# Altium PCB InfraredModule-批量.PcbDoc (part 2 of 2)
Units mm, origin at the board's own origin, x right, y up, seen from the top; angles counter-clockwise.
Board outline 90 x 53 mm, 2 copper layers (Top Layer, Bottom Layer); 324 components, 29 nets, 1102 pads, 540 vias.
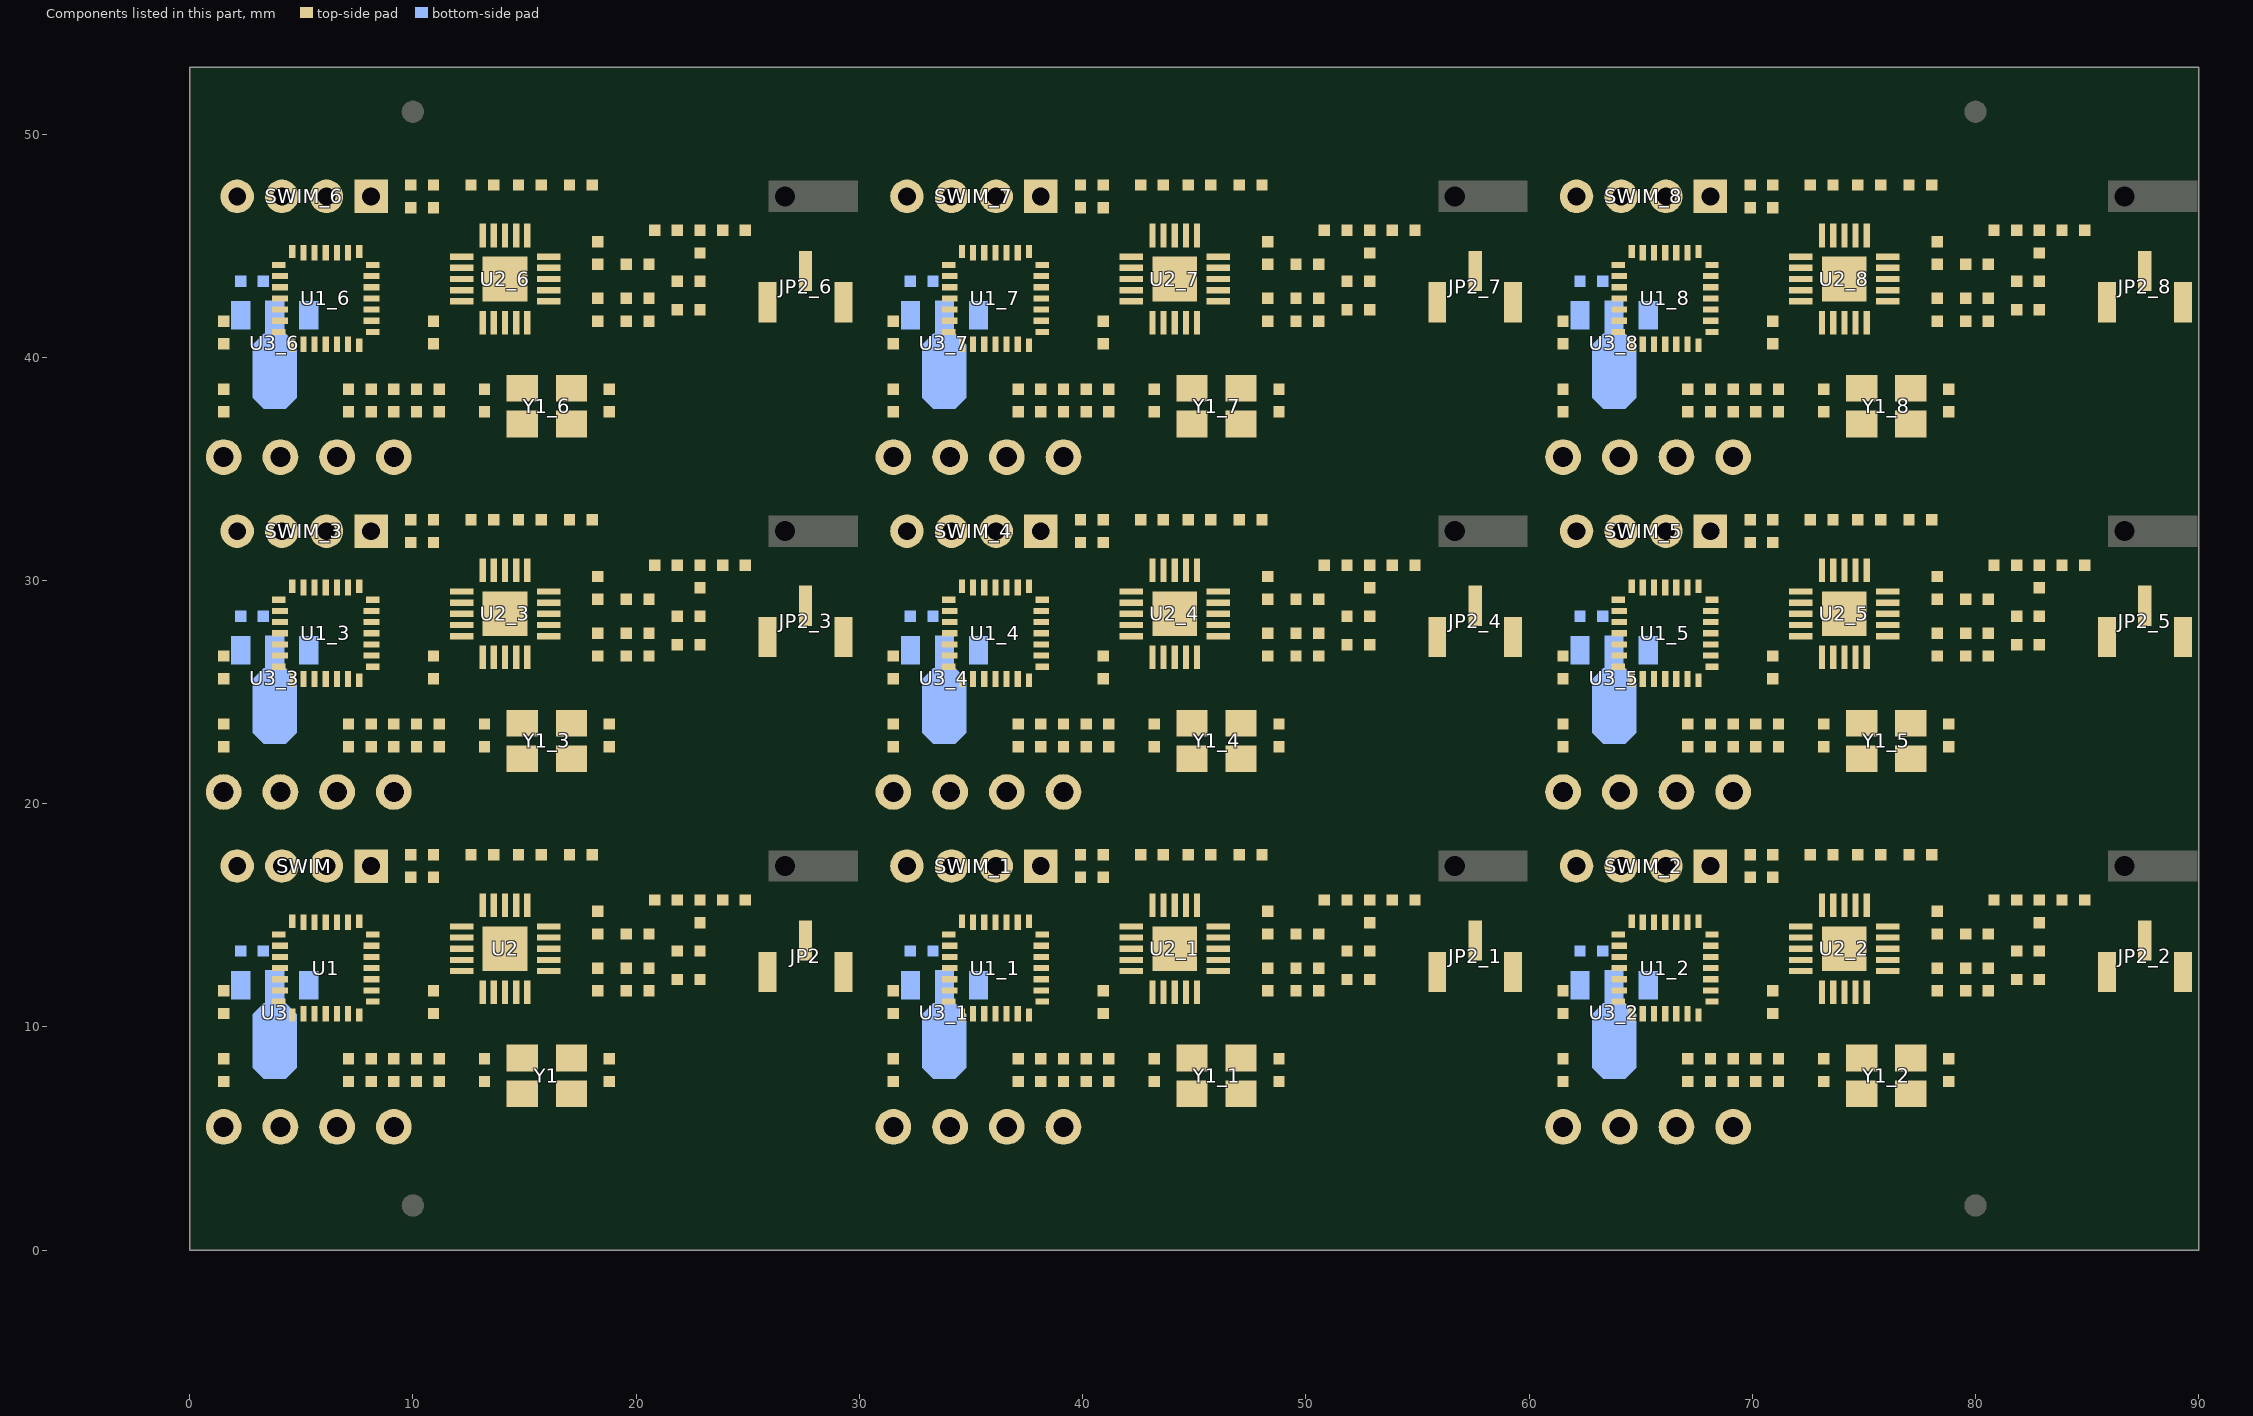
[diagram p2: the components of this part, seen from the top]

## Via types
v1: diameter 0.61, hole 0.305, Top Layer to Bottom Layer, 540 vias

## Nets (pads, with @x,y where several pads share a name; then routed paths per layer and width w, separated by ;. In a path a pad name is that pad's centre, name@x,y a point inside that pad or via, vN(x,y) a via of type N, cw(c..) or ccw(c..) an arc to the next point about the centre after c; other vN are vias at no path point) (continued)
copper on no net: | length 2413.6
  Top Layer w0.203: 1.524,5.524 1.524,7.556 2.159,7.556 2.413,7.81 2.413,9.08 2.667,9.334 v1(6.096,9.334) ; 1.524,8.572 1.524,10.604 2.54,10.604 3.072,11.136 3.996,11.136 ; 1.524,11.62 v1(1.524,14.541) ; 1.524,20.524 1.524,22.556 2.159,22.556 2.413,22.81 2.413,24.08 2.667,24.334 v1(6.096,24.334) ; 1.524,23.572 1.524,25.604 2.54,25.604 3.072,26.136 3.996,26.136 ; 1.524,26.62 v1(1.524,29.541) ; 1.524,35.524 1.524,37.556 2.159,37.556 2.413,37.81 2.413,39.08 2.667,39.334 v1(6.096,39.334) ; 1.524,38.572 1.524,40.604 2.54,40.604 3.072,41.136 3.996,41.136 ; 1.524,41.62 v1(1.524,44.541) ; 1.54,11.636 4.046,11.636 ; 1.54,26.636 4.046,26.636 ; 1.54,41.636 4.046,41.636 ; 3.996,14.136 v1(3.996,15.743) ; 3.996,29.136 v1(3.996,30.743) ; 3.996,44.136 v1(3.996,45.743) ; 4.128,17.208 4.596,16.74 4.596,14.736 ; 4.128,32.208 4.596,31.74 4.596,29.736 ; 4.128,47.208 4.596,46.74 4.596,44.736 ; 4.395,11.136 3.996,11.136 ; 4.395,26.136 3.996,26.136 ; 4.395,41.136 3.996,41.136 ; v1(6.35,11.874) 5.334,11.874 ; v1(6.35,26.874) 5.334,26.874 ; v1(6.35,41.874) 5.334,41.874 ; 6.604,5.524 6.604,7.048 7.112,7.556 8.128,8.572 8.026,8.47 ; 6.604,10.578 6.596,10.586 6.596,9.596 6.909,9.283 7.112,9.283 ; 6.604,20.524 6.604,22.048 7.112,22.556 8.128,23.572 8.026,23.47 ; 6.604,25.578 6.596,25.586 6.596,24.596 6.909,24.283 7.112,24.283 ; 6.604,35.524 6.604,37.048 7.112,37.556 8.128,38.572 8.026,38.47 ; 6.604,40.578 6.596,40.586 6.596,39.596 6.909,39.283 7.112,39.283 ; v1(6.874,13.636) 8.146,13.636 ; v1(6.874,28.636) 8.146,28.636 ; v1(6.874,43.636) 8.146,43.636 ; 7.112,8.572 7.112,9.283 ; 7.112,23.572 7.112,24.283 ; 7.112,38.572 7.112,39.283 ; 8.146,11.636 8.906,11.636 9.017,11.747 9.652,11.747 9.906,11.493 9.906,9.461 10.211,9.156 12.527,9.156 13.627,10.256 13.627,11.554 ; 8.146,12.136 8.893,12.136 9.601,12.844 9.601,14.368 10.331,15.098 12.065,15.098 12.178,14.985 12.178,14.504 ; 8.146,12.636 8.89,12.636 9.246,12.992 9.246,14.516 10.183,15.453 13.127,15.453 ; 8.146,13.136 8.755,13.136 8.89,13.271 v1(8.89,15.176) ; 8.146,26.636 8.906,26.636 9.017,26.747 9.652,26.747 9.906,26.493 9.906,24.461 10.211,24.156 12.527,24.156 13.627,25.256 13.627,26.554 ; 8.146,27.136 8.893,27.136 9.601,27.844 9.601,29.368 10.331,30.098 12.065,30.098 12.178,29.985 12.178,29.504 ; 8.146,27.636 8.89,27.636 9.246,27.992 9.246,29.516 10.183,30.453 13.127,30.453 ; 8.146,28.136 8.755,28.136 8.89,28.271 v1(8.89,30.176) ; 8.146,41.636 8.906,41.636 9.017,41.747 9.652,41.747 9.906,41.493 9.906,39.461 10.211,39.156 12.527,39.156 13.627,40.256 13.627,41.554 ; 8.146,42.136 8.893,42.136 9.601,42.844 9.601,44.368 10.331,45.098 12.065,45.098 12.178,44.985 12.178,44.504 ; 8.146,42.636 8.89,42.636 9.246,42.992 9.246,44.516 10.183,45.453 13.127,45.453 ; 8.146,43.136 8.755,43.136 8.89,43.271 v1(8.89,45.176) ; 8.196,10.536 7.596,10.536 8.45,10.536 8.636,10.35 v1(8.636,9.842) ; 8.196,11.136 v1(9.247,11.136) ; 8.196,25.536 7.596,25.536 8.45,25.536 8.636,25.35 v1(8.636,24.842) ; 8.196,26.136 v1(9.247,26.136) ; 8.196,40.536 7.596,40.536 8.45,40.536 8.636,40.35 v1(8.636,39.842) ; 8.196,41.136 v1(9.247,41.136) ; 8.636,16.7 9.906,16.7 10.922,17.716 ; 8.636,31.7 9.906,31.7 10.922,32.716 ; 8.636,46.7 9.906,46.7 10.922,47.716 ; 9.144,7.556 10.16,7.556 ; 9.144,22.556 10.16,22.556 ; 9.144,37.556 10.16,37.556 ; 10.16,8.572 9.144,8.572 9.144,9.207 9.068,9.283 7.112,9.283 ; 10.16,23.572 9.144,23.572 9.144,24.207 9.068,24.283 7.112,24.283 ; 10.16,38.572 9.144,38.572 9.144,39.207 9.068,39.283 7.112,39.283 ; v1(10.414,12.509) 10.795,12.509 11.29,13.004 12.178,13.004 ; v1(10.414,13.271) 11.049,13.271 11.282,13.504 12.178,13.504 ; v1(10.414,27.509) 10.795,27.509 11.29,28.004 12.178,28.004 ; v1(10.414,28.271) 11.049,28.271 11.282,28.504 12.178,28.504 ; v1(10.414,42.509) 10.795,42.509 11.29,43.004 12.178,43.004 ; v1(10.414,43.271) 11.049,43.271 11.282,43.504 12.178,43.504 ; v1(10.824,14.004) 12.178,14.004 ; v1(10.824,29.004) 12.178,29.004 ; v1(10.824,44.004) 12.178,44.004 ; v1(10.922,9.715) 10.922,10.604 ; 10.922,11.62 10.922,12.128 11.298,12.504 12.178,12.504 ; 10.922,16.7 v1(11.811,16.7) ; v1(10.922,24.715) 10.922,25.604 ; 10.922,26.62 10.922,27.128 11.298,27.504 12.178,27.504 ; 10.922,31.7 v1(11.811,31.7) ; v1(10.922,39.715) 10.922,40.604 ; 10.922,41.62 10.922,42.128 11.298,42.504 12.178,42.504 ; 10.922,46.7 v1(11.811,46.7) ; 11.176,7.556 11.176,8.572 ; 11.176,22.556 11.176,23.572 ; 11.176,37.556 11.176,38.572 ; v1(11.938,10.858) 11.938,11.366 12.126,11.554 13.127,11.554 ; v1(11.938,25.858) 11.938,26.366 12.126,26.554 13.127,26.554 ; v1(11.938,40.858) 11.938,41.366 12.126,41.554 13.127,41.554 ; v1(12.192,7.556) 13.208,7.556 v1(13.208,6.54) ; v1(12.192,22.556) 13.208,22.556 v1(13.208,21.54) ; v1(12.192,37.556) 13.208,37.556 v1(13.208,36.54) ; 12.603,17.716 v1(12.603,16.67) 13.605,16.67 13.627,16.648 13.627,15.453 ; 12.603,32.716 v1(12.603,31.67) 13.605,31.67 13.627,31.648 13.627,30.453 ; 12.603,47.716 v1(12.603,46.67) 13.605,46.67 13.627,46.648 13.627,45.453 ; 13.619,17.716 14.127,17.208 14.127,15.453 ; 13.619,32.716 14.127,32.208 14.127,30.453 ; 13.619,47.716 14.127,47.208 14.127,45.453 ; 14.127,11.554 14.127,10.253 13.208,9.334 13.208,8.572 14.77,7.01 ; 14.127,26.554 14.127,25.253 13.208,24.334 13.208,23.572 14.77,22.01 ; 14.127,41.554 14.127,40.253 13.208,39.334 13.208,38.572 14.77,37.01 ; 14.627,11.554 14.627,10.455 14.732,10.35 v1(15.494,10.35) ; 14.627,15.453 14.627,17.611 ; 14.627,26.554 14.627,25.455 14.732,25.35 v1(15.494,25.35) ; 14.627,30.453 14.627,32.611 ; 14.627,41.554 14.627,40.455 14.732,40.35 v1(15.494,40.35) ; 14.627,45.453 14.627,47.611 ; 15.127,11.554 16.576,11.554 17.14,10.99 17.14,8.61 17.14,8.572 18.796,8.572 ; 15.127,15.453 15.127,16.079 v1(15.748,16.7) 15.748,17.716 ; 15.127,26.554 16.576,26.554 17.14,25.99 17.14,23.61 17.14,23.572 18.796,23.572 ; 15.127,30.453 15.127,31.079 v1(15.748,31.7) 15.748,32.716 ; 15.127,41.554 16.576,41.554 17.14,40.99 17.14,38.61 17.14,38.572 18.796,38.572 ; 15.127,45.453 15.127,46.079 v1(15.748,46.7) 15.748,47.716 ; 16.076,12.504 16.642,12.504 v1(17.145,12.001) ; 16.076,13.004 17.92,13.004 cw(c17.92,12.636) 18.288,12.636 19.558,12.636 ; 16.076,14.004 17.018,14.004 17.145,14.131 17.145,14.541 ; 16.076,14.504 17.018,14.504 ; 16.076,27.504 16.642,27.504 v1(17.145,27.001) ; 16.076,28.004 17.92,28.004 cw(c17.92,27.636) 18.288,27.636 19.558,27.636 ; 16.076,29.004 17.018,29.004 17.145,29.131 17.145,29.541 ; 16.076,29.504 17.018,29.504 ; 16.076,42.504 16.642,42.504 v1(17.145,42.001) ; 16.076,43.004 17.92,43.004 cw(c17.92,42.636) 18.288,42.636 19.558,42.636 ; 16.076,44.004 17.018,44.004 17.145,44.131 17.145,44.541 ; 16.076,44.504 17.018,44.504 ; 16.704,13.504 16.076,13.504 17.632,13.504 ccw(c17.632,14.16) 18.288,14.16 19.558,14.16 ; 16.704,28.504 16.076,28.504 17.632,28.504 ccw(c17.632,29.16) 18.288,29.16 19.558,29.16 ; 16.704,43.504 16.076,43.504 17.632,43.504 ccw(c17.632,44.16) 18.288,44.16 19.558,44.16 ; 17.108,14.504 17.145,14.541 ; 17.108,29.504 17.145,29.541 ; 17.108,44.504 17.145,44.541 ; v1(17.145,15.176) 17.145,14.541 ; v1(17.145,30.176) 17.145,29.541 ; v1(17.145,45.176) 17.145,44.541 ; v1(18.034,16.7) 18.034,17.716 ; v1(18.034,31.7) 18.034,32.716 ; v1(18.034,46.7) 18.034,47.716 ; 18.288,15.176 v1(19.177,15.176) ; 18.288,30.176 v1(19.177,30.176) ; 18.288,45.176 v1(19.177,45.176) ; v1(18.796,6.54) 18.796,7.556 v1(19.812,7.556) ; v1(18.796,21.54) 18.796,22.556 v1(19.812,22.556) ; v1(18.796,36.54) 18.796,37.556 v1(19.812,37.556) ; v1(19.812,15.684) 20.828,15.684 ; v1(19.812,30.684) 20.828,30.684 ; v1(19.812,45.684) 20.828,45.684 ; v1(20.574,10.604) 20.574,11.62 ; v1(20.574,25.604) 20.574,26.62 ; v1(20.574,40.604) 20.574,41.62 ; v1(21.844,10.604) 21.844,12.128 ; 21.844,15.684 22.86,15.684 23.876,15.684 ; v1(21.844,25.604) 21.844,27.128 ; 21.844,30.684 22.86,30.684 23.876,30.684 ; v1(21.844,40.604) 21.844,42.128 ; 21.844,45.684 22.86,45.684 23.876,45.684 ; 22.86,12.128 22.86,13.398 22.86,14.668 ; 22.86,27.128 22.86,28.398 22.86,29.668 ; 22.86,42.128 22.86,43.398 22.86,44.668 ; v1@25.889,10.623 25.889,12.466 ; v1@25.889,25.623 25.889,27.466 ; v1@25.889,40.623 25.889,42.466 ; v1(27.559,10.604) 27.559,12.128 ; v1(27.559,25.604) 27.559,27.128 ; v1(27.559,40.604) 27.559,42.128 ; 28.951,12.128 29.289,12.466 v1(29.289,10.604) ; 28.951,27.128 29.289,27.466 v1(29.289,25.604) ; 28.951,42.128 29.289,42.466 v1(29.289,40.604) ; 31.524,5.524 31.524,7.556 32.159,7.556 32.413,7.81 32.413,9.08 32.667,9.334 v1(36.096,9.334) ; 31.524,8.572 31.524,10.604 32.54,10.604 33.072,11.136 33.996,11.136 ; 31.524,11.62 v1(31.524,14.541) ; 31.524,20.524 31.524,22.556 32.159,22.556 32.413,22.81 32.413,24.08 32.667,24.334 v1(36.096,24.334) ; 31.524,23.572 31.524,25.604 32.54,25.604 33.072,26.136 33.996,26.136 ; 31.524,26.62 v1(31.524,29.541) ; 31.524,35.524 31.524,37.556 32.159,37.556 32.413,37.81 32.413,39.08 32.667,39.334 v1(36.096,39.334) ; 31.524,38.572 31.524,40.604 32.54,40.604 33.072,41.136 33.996,41.136 ; 31.524,41.62 v1(31.524,44.541) ; 31.54,11.636 34.046,11.636 ; 31.54,26.636 34.046,26.636 ; 31.54,41.636 34.046,41.636 ; 33.996,14.136 v1(33.996,15.743) ; 33.996,29.136 v1(33.996,30.743) ; 33.996,44.136 v1(33.996,45.743) ; 34.128,17.208 34.596,16.74 34.596,14.736 ; 34.128,32.208 34.596,31.74 34.596,29.736 ; 34.128,47.208 34.596,46.74 34.596,44.736 ; 34.395,11.136 33.996,11.136 ; 34.395,26.136 33.996,26.136 ; 34.395,41.136 33.996,41.136 ; v1(36.35,11.874) 35.334,11.874 ; v1(36.35,26.874) 35.334,26.874 ; v1(36.35,41.874) 35.334,41.874 ; 36.604,5.524 36.604,7.048 37.112,7.556 38.128,8.572 38.026,8.47 ; 36.604,10.578 36.596,10.586 36.596,9.596 36.909,9.283 37.112,9.283 ; 36.604,20.524 36.604,22.048 37.112,22.556 38.128,23.572 38.026,23.47 ; 36.604,25.578 36.596,25.586 36.596,24.596 36.909,24.283 37.112,24.283 ; 36.604,35.524 36.604,37.048 37.112,37.556 38.128,38.572 38.026,38.47 ; 36.604,40.578 36.596,40.586 36.596,39.596 36.909,39.283 37.112,39.283 ; v1(36.874,13.636) 38.146,13.636 ; v1(36.874,28.636) 38.146,28.636 ; v1(36.874,43.636) 38.146,43.636 ; 37.112,8.572 37.112,9.283 ; 37.112,23.572 37.112,24.283 ; 37.112,38.572 37.112,39.283 ; 38.146,11.636 38.906,11.636 39.017,11.747 39.652,11.747 39.906,11.493 39.906,9.461 40.211,9.156 42.527,9.156 43.627,10.256 43.627,11.554 ; 38.146,12.136 38.893,12.136 39.601,12.844 39.601,14.368 40.331,15.098 42.065,15.098 42.178,14.985 42.178,14.504 ; 38.146,12.636 38.89,12.636 39.246,12.992 39.246,14.516 40.183,15.453 43.127,15.453 ; 38.146,13.136 38.755,13.136 38.89,13.271 v1(38.89,15.176) ; 38.146,26.636 38.906,26.636 39.017,26.747 39.652,26.747 39.906,26.493 39.906,24.461 40.211,24.156 42.527,24.156 43.627,25.256 43.627,26.554 ; 38.146,27.136 38.893,27.136 39.601,27.844 39.601,29.368 40.331,30.098 42.065,30.098 42.178,29.985 42.178,29.504 ; 38.146,27.636 38.89,27.636 39.246,27.992 39.246,29.516 40.183,30.453 43.127,30.453 ; 38.146,28.136 38.755,28.136 38.89,28.271 v1(38.89,30.176) ; 38.146,41.636 38.906,41.636 39.017,41.747 39.652,41.747 39.906,41.493 39.906,39.461 40.211,39.156 42.527,39.156 43.627,40.256 43.627,41.554 ; 38.146,42.136 38.893,42.136 39.601,42.844 39.601,44.368 40.331,45.098 42.065,45.098 42.178,44.985 42.178,44.504 ; 38.146,42.636 38.89,42.636 39.246,42.992 39.246,44.516 40.183,45.453 43.127,45.453 ; 38.146,43.136 38.755,43.136 38.89,43.271 v1(38.89,45.176) ; 38.196,10.536 37.596,10.536 38.45,10.536 38.636,10.35 v1(38.636,9.842) ; 38.196,11.136 v1(39.247,11.136) ; 38.196,25.536 37.596,25.536 38.45,25.536 38.636,25.35 v1(38.636,24.842) ; 38.196,26.136 v1(39.247,26.136) ; 38.196,40.536 37.596,40.536 38.45,40.536 38.636,40.35 v1(38.636,39.842) ; 38.196,41.136 v1(39.247,41.136) ; 38.636,16.7 39.906,16.7 40.922,17.716 ; 38.636,31.7 39.906,31.7 40.922,32.716 ; 38.636,46.7 39.906,46.7 40.922,47.716 ; 39.144,7.556 40.16,7.556 ; 39.144,22.556 40.16,22.556 ; 39.144,37.556 40.16,37.556 ; 40.16,8.572 39.144,8.572 39.144,9.207 39.068,9.283 37.112,9.283 ; 40.16,23.572 39.144,23.572 39.144,24.207 39.068,24.283 37.112,24.283 ; 40.16,38.572 39.144,38.572 39.144,39.207 39.068,39.283 37.112,39.283 ; v1(40.414,12.509) 40.795,12.509 41.29,13.004 42.178,13.004 ; v1(40.414,13.271) 41.049,13.271 41.282,13.504 42.178,13.504 ; v1(40.414,27.509) 40.795,27.509 41.29,28.004 42.178,28.004 ; v1(40.414,28.271) 41.049,28.271 41.282,28.504 42.178,28.504 ; v1(40.414,42.509) 40.795,42.509 41.29,43.004 42.178,43.004 ; v1(40.414,43.271) 41.049,43.271 41.282,43.504 42.178,43.504 ; v1(40.824,14.004) 42.178,14.004 ; v1(40.824,29.004) 42.178,29.004 ; v1(40.824,44.004) 42.178,44.004 ; v1(40.922,9.715) 40.922,10.604 ; 40.922,11.62 40.922,12.128 41.298,12.504 42.178,12.504 ; 40.922,16.7 v1(41.811,16.7) ; v1(40.922,24.715) 40.922,25.604 ; 40.922,26.62 40.922,27.128 41.298,27.504 42.178,27.504 ; 40.922,31.7 v1(41.811,31.7) ; v1(40.922,39.715) 40.922,40.604 ; 40.922,41.62 40.922,42.128 41.298,42.504 42.178,42.504 ; 40.922,46.7 v1(41.811,46.7) ; 41.176,7.556 41.176,8.572 ; 41.176,22.556 41.176,23.572 ; 41.176,37.556 41.176,38.572 ; v1(41.938,10.858) 41.938,11.366 42.126,11.554 43.127,11.554 ; v1(41.938,25.858) 41.938,26.366 42.126,26.554 43.127,26.554 ; v1(41.938,40.858) 41.938,41.366 42.126,41.554 43.127,41.554 ; v1(42.192,7.556) 43.208,7.556 v1(43.208,6.54) ; v1(42.192,22.556) 43.208,22.556 v1(43.208,21.54) ; v1(42.192,37.556) 43.208,37.556 v1(43.208,36.54) ; 42.603,17.716 v1(42.603,16.67) 43.605,16.67 43.627,16.648 43.627,15.453 ; 42.603,32.716 v1(42.603,31.67) 43.605,31.67 43.627,31.648 43.627,30.453 ; 42.603,47.716 v1(42.603,46.67) 43.605,46.67 43.627,46.648 43.627,45.453 ; 43.619,17.716 44.127,17.208 44.127,15.453 ; 43.619,32.716 44.127,32.208 44.127,30.453 ; 43.619,47.716 44.127,47.208 44.127,45.453 ; 44.127,11.554 44.127,10.253 43.208,9.334 43.208,8.572 44.77,7.01 ; 44.127,26.554 44.127,25.253 43.208,24.334 43.208,23.572 44.77,22.01 ; 44.127,41.554 44.127,40.253 43.208,39.334 43.208,38.572 44.77,37.01 ; 44.627,11.554 44.627,10.455 44.732,10.35 v1(45.494,10.35) ; 44.627,15.453 44.627,17.611 ; 44.627,26.554 44.627,25.455 44.732,25.35 v1(45.494,25.35) ; 44.627,30.453 44.627,32.611 ; 44.627,41.554 44.627,40.455 44.732,40.35 v1(45.494,40.35) ; 44.627,45.453 44.627,47.611 ; 45.127,11.554 46.576,11.554 47.14,10.99 47.14,8.61 47.14,8.572 48.796,8.572 ; 45.127,15.453 45.127,16.079 v1(45.748,16.7) 45.748,17.716 ; 45.127,26.554 46.576,26.554 47.14,25.99 47.14,23.61 47.14,23.572 48.796,23.572 ; 45.127,30.453 45.127,31.079 v1(45.748,31.7) 45.748,32.716 ; 45.127,41.554 46.576,41.554 47.14,40.99 47.14,38.61 47.14,38.572 48.796,38.572 ; 45.127,45.453 45.127,46.079 v1(45.748,46.7) 45.748,47.716 ; 46.076,12.504 46.642,12.504 v1(47.145,12.001) ; 46.076,13.004 47.92,13.004 cw(c47.92,12.636) 48.288,12.636 49.558,12.636 ; 46.076,14.004 47.018,14.004 47.145,14.131 47.145,14.541 ; 46.076,14.504 47.018,14.504 ; 46.076,27.504 46.642,27.504 v1(47.145,27.001) ; 46.076,28.004 47.92,28.004 cw(c47.92,27.636) 48.288,27.636 49.558,27.636 ; 46.076,29.004 47.018,29.004 47.145,29.131 47.145,29.541 ; 46.076,29.504 47.018,29.504 ; 46.076,42.504 46.642,42.504 v1(47.145,42.001) ; 46.076,43.004 47.92,43.004 cw(c47.92,42.636) 48.288,42.636 49.558,42.636 ; 46.076,44.004 47.018,44.004 47.145,44.131 47.145,44.541 ; 46.076,44.504 47.018,44.504 ; 46.704,13.504 46.076,13.504 47.632,13.504 ccw(c47.632,14.16) 48.288,14.16 49.558,14.16 ; 46.704,28.504 46.076,28.504 47.632,28.504 ccw(c47.632,29.16) 48.288,29.16 49.558,29.16 ; 46.704,43.504 46.076,43.504 47.632,43.504 ccw(c47.632,44.16) 48.288,44.16 49.558,44.16 ; 47.108,14.504 47.145,14.541 ; 47.108,29.504 47.145,29.541 ; 47.108,44.504 47.145,44.541 ; v1(47.145,15.176) 47.145,14.541 ; v1(47.145,30.176) 47.145,29.541 ; v1(47.145,45.176) 47.145,44.541 ; v1(48.034,16.7) 48.034,17.716 ; v1(48.034,31.7) 48.034,32.716 ; v1(48.034,46.7) 48.034,47.716 ; 48.288,15.176 v1(49.177,15.176) ; 48.288,30.176 v1(49.177,30.176) ; 48.288,45.176 v1(49.177,45.176) ; v1(48.796,6.54) 48.796,7.556 v1(49.812,7.556) ; v1(48.796,21.54) 48.796,22.556 v1(49.812,22.556) ; v1(48.796,36.54) 48.796,37.556 v1(49.812,37.556) ; v1(49.812,15.684) 50.828,15.684 ; v1(49.812,30.684) 50.828,30.684 ; v1(49.812,45.684) 50.828,45.684 ; v1(50.574,10.604) 50.574,11.62 ; v1(50.574,25.604) 50.574,26.62 ; v1(50.574,40.604) 50.574,41.62 ; v1(51.844,10.604) 51.844,12.128 ; 51.844,15.684 52.86,15.684 53.876,15.684 ; v1(51.844,25.604) 51.844,27.128 ; 51.844,30.684 52.86,30.684 53.876,30.684 ; v1(51.844,40.604) 51.844,42.128 ; 51.844,45.684 52.86,45.684 53.876,45.684 ; 52.86,12.128 52.86,13.398 52.86,14.668 ; 52.86,27.128 52.86,28.398 52.86,29.668 ; 52.86,42.128 52.86,43.398 52.86,44.668 ; v1@55.889,10.623 55.889,12.466 ; v1@55.889,25.623 55.889,27.466 ; v1@55.889,40.623 55.889,42.466 ; v1(57.559,10.604) 57.559,12.128 ; v1(57.559,25.604) 57.559,27.128 ; v1(57.559,40.604) 57.559,42.128 ; 58.951,12.128 59.289,12.466 v1(59.289,10.604) ; 58.951,27.128 59.289,27.466 v1(59.289,25.604) ; 58.951,42.128 59.289,42.466 v1(59.289,40.604) ; 61.524,5.524 61.524,7.556 62.159,7.556 62.413,7.81 62.413,9.08 62.667,9.334 v1(66.096,9.334) ; 61.524,8.572 61.524,10.604 62.54,10.604 63.072,11.136 63.996,11.136 ; 61.524,11.62 v1(61.524,14.541) ; 61.524,20.524 61.524,22.556 62.159,22.556 62.413,22.81 62.413,24.08 62.667,24.334 v1(66.096,24.334) ; 61.524,23.572 61.524,25.604 62.54,25.604 63.072,26.136 63.996,26.136 ; 61.524,26.62 v1(61.524,29.541) ; 61.524,35.524 61.524,37.556 62.159,37.556 62.413,37.81 62.413,39.08 62.667,39.334 v1(66.096,39.334) ; 61.524,38.572 61.524,40.604 62.54,40.604 63.072,41.136 63.996,41.136 ; 61.524,41.62 v1(61.524,44.541) ; 61.54,11.636 64.046,11.636 ; 61.54,26.636 64.046,26.636 ; 61.54,41.636 64.046,41.636 ; 63.996,14.136 v1(63.996,15.743) ; 63.996,29.136 v1(63.996,30.743) ; 63.996,44.136 v1(63.996,45.743) ; 64.128,17.208 64.596,16.74 64.596,14.736 ; 64.128,32.208 64.596,31.74 64.596,29.736 ; 64.128,47.208 64.596,46.74 64.596,44.736 ; 64.395,11.136 63.996,11.136 ; 64.395,26.136 63.996,26.136 ; 64.395,41.136 63.996,41.136 ; v1(66.35,11.874) 65.334,11.874 ; v1(66.35,26.874) 65.334,26.874 ; v1(66.35,41.874) 65.334,41.874 ; 66.604,5.524 66.604,7.048 67.112,7.556 68.128,8.572 68.026,8.47 ; 66.604,10.578 66.596,10.586 66.596,9.596 66.909,9.283 67.112,9.283 ; 66.604,20.524 66.604,22.048 67.112,22.556 68.128,23.572 68.026,23.47 ; 66.604,25.578 66.596,25.586 66.596,24.596 66.909,24.283 67.112,24.283 ; 66.604,35.524 66.604,37.048 67.112,37.556 68.128,38.572 68.026,38.47 ; 66.604,40.578 66.596,40.586 66.596,39.596 66.909,39.283 67.112,39.283 ; v1(66.874,13.636) 68.146,13.636 ; v1(66.874,28.636) 68.146,28.636 ; v1(66.874,43.636) 68.146,43.636 ; 67.112,8.572 67.112,9.283 ; 67.112,23.572 67.112,24.283 ; 67.112,38.572 67.112,39.283 ; 68.146,11.636 68.906,11.636 69.017,11.747 69.652,11.747 69.906,11.493 69.906,9.461 70.211,9.156 72.527,9.156 73.627,10.256 73.627,11.554 ; 68.146,12.136 68.893,12.136 69.601,12.844 69.601,14.368 70.331,15.098 72.065,15.098 72.178,14.985 72.178,14.504 ; 68.146,12.636 68.89,12.636 69.246,12.992 69.246,14.516 70.183,15.453 73.127,15.453 ; 68.146,13.136 68.755,13.136 68.89,13.271 v1(68.89,15.176) ; 68.146,26.636 68.906,26.636 69.017,26.747 69.652,26.747 69.906,26.493 69.906,24.461 70.211,24.156 72.527,24.156 73.627,25.256 73.627,26.554 ; 68.146,27.136 68.893,27.136 69.601,27.844 69.601,29.368 70.331,30.098 72.065,30.098 72.178,29.985 72.178,29.504 ; 68.146,27.636 68.89,27.636 69.246,27.992 69.246,29.516 70.183,30.453 73.127,30.453 ; 68.146,28.136 68.755,28.136 68.89,28.271 v1(68.89,30.176) ; 68.146,41.636 68.906,41.636 69.017,41.747 69.652,41.747 69.906,41.493 69.906,39.461 70.211,39.156 72.527,39.156 73.627,40.256 73.627,41.554 ; 68.146,42.136 68.893,42.136 69.601,42.844 69.601,44.368 70.331,45.098 72.065,45.098 72.178,44.985 72.178,44.504 ; 68.146,42.636 68.89,42.636 69.246,42.992 69.246,44.516 70.183,45.453 73.127,45.453 ; 68.146,43.136 68.755,43.136 68.89,43.271 v1(68.89,45.176) ; 68.196,10.536 67.596,10.536 68.45,10.536 68.636,10.35 v1(68.636,9.842) ; 68.196,11.136 v1(69.247,11.136) ; 68.196,25.536 67.596,25.536 68.45,25.536 68.636,25.35 v1(68.636,24.842) ; 68.196,26.136 v1(69.247,26.136) ; 68.196,40.536 67.596,40.536 68.45,40.536 68.636,40.35 v1(68.636,39.842) ; 68.196,41.136 v1(69.247,41.136) ; 68.636,16.7 69.906,16.7 70.922,17.716 ; 68.636,31.7 69.906,31.7 70.922,32.716 ; 68.636,46.7 69.906,46.7 70.922,47.716 ; 69.144,7.556 70.16,7.556 ; 69.144,22.556 70.16,22.556 ; 69.144,37.556 70.16,37.556 ; 70.16,8.572 69.144,8.572 69.144,9.207 69.068,9.283 67.112,9.283 ; 70.16,23.572 69.144,23.572 69.144,24.207 69.068,24.283 67.112,24.283 ; 70.16,38.572 69.144,38.572 69.144,39.207 69.068,39.283 67.112,39.283 ; v1(70.414,12.509) 70.795,12.509 71.29,13.004 72.178,13.004 ; v1(70.414,13.271) 71.049,13.271 71.282,13.504 72.178,13.504 ; v1(70.414,27.509) 70.795,27.509 71.29,28.004 72.178,28.004 ; v1(70.414,28.271) 71.049,28.271 71.282,28.504 72.178,28.504 ; v1(70.414,42.509) 70.795,42.509 71.29,43.004 72.178,43.004 ; v1(70.414,43.271) 71.049,43.271 71.282,43.504 72.178,43.504 ; v1(70.824,14.004) 72.178,14.004 ; v1(70.824,29.004) 72.178,29.004 ; v1(70.824,44.004) 72.178,44.004 ; v1(70.922,9.715) 70.922,10.604 ; 70.922,11.62 70.922,12.128 71.298,12.504 72.178,12.504 ; 70.922,16.7 v1(71.811,16.7) ; v1(70.922,24.715) 70.922,25.604 ; 70.922,26.62 70.922,27.128 71.298,27.504 72.178,27.504 ; 70.922,31.7 v1(71.811,31.7) ; v1(70.922,39.715) 70.922,40.604 ; 70.922,41.62 70.922,42.128 71.298,42.504 72.178,42.504 ; 70.922,46.7 v1(71.811,46.7) ; 71.176,7.556 71.176,8.572 ; 71.176,22.556 71.176,23.572 ; 71.176,37.556 71.176,38.572 ; v1(71.938,10.858) 71.938,11.366 72.126,11.554 73.127,11.554 ; v1(71.938,25.858) 71.938,26.366 72.126,26.554 73.127,26.554 ; v1(71.938,40.858) 71.938,41.366 72.126,41.554 73.127,41.554 ; v1(72.192,7.556) 73.208,7.556 v1(73.208,6.54) ; v1(72.192,22.556) 73.208,22.556 v1(73.208,21.54) ; v1(72.192,37.556) 73.208,37.556 v1(73.208,36.54) ; 72.603,17.716 v1(72.603,16.67) 73.605,16.67 73.627,16.648 73.627,15.453 ; 72.603,32.716 v1(72.603,31.67) 73.605,31.67 73.627,31.648 73.627,30.453 ; 72.603,47.716 v1(72.603,46.67) 73.605,46.67 73.627,46.648 73.627,45.453 ; 73.619,17.716 74.127,17.208 74.127,15.453 ; 73.619,32.716 74.127,32.208 74.127,30.453 ; 73.619,47.716 74.127,47.208 74.127,45.453 ; 74.127,11.554 74.127,10.253 73.208,9.334 73.208,8.572 74.77,7.01 ; 74.127,26.554 74.127,25.253 73.208,24.334 73.208,23.572 74.77,22.01 ; 74.127,41.554 74.127,40.253 73.208,39.334 73.208,38.572 74.77,37.01 ; 74.627,11.554 74.627,10.455 74.732,10.35 v1(75.494,10.35) ; 74.627,15.453 74.627,17.611 ; 74.627,26.554 74.627,25.455 74.732,25.35 v1(75.494,25.35) ; 74.627,30.453 74.627,32.611 ; 74.627,41.554 74.627,40.455 74.732,40.35 v1(75.494,40.35) ; 74.627,45.453 74.627,47.611 ; 75.127,11.554 76.576,11.554 77.14,10.99 77.14,8.61 77.14,8.572 78.796,8.572 ; 75.127,15.453 75.127,16.079 v1(75.748,16.7) 75.748,17.716 ; 75.127,26.554 76.576,26.554 77.14,25.99 77.14,23.61 77.14,23.572 78.796,23.572 ; 75.127,30.453 75.127,31.079 v1(75.748,31.7) 75.748,32.716 ; 75.127,41.554 76.576,41.554 77.14,40.99 77.14,38.61 77.14,38.572 78.796,38.572 ; 75.127,45.453 75.127,46.079 v1(75.748,46.7) 75.748,47.716 ; 76.076,12.504 76.642,12.504 v1(77.145,12.001) ; 76.076,13.004 77.92,13.004 cw(c77.92,12.636) 78.288,12.636 79.558,12.636 ; 76.076,14.004 77.018,14.004 77.145,14.131 77.145,14.541 ; 76.076,14.504 77.018,14.504 ; 76.076,27.504 76.642,27.504 v1(77.145,27.001) ; 76.076,28.004 77.92,28.004 cw(c77.92,27.636) 78.288,27.636 79.558,27.636 ; 76.076,29.004 77.018,29.004 77.145,29.131 77.145,29.541 ; 76.076,29.504 77.018,29.504 ; 76.076,42.504 76.642,42.504 v1(77.145,42.001) ; 76.076,43.004 77.92,43.004 cw(c77.92,42.636) 78.288,42.636 79.558,42.636 ; 76.076,44.004 77.018,44.004 77.145,44.131 77.145,44.541 ; 76.076,44.504 77.018,44.504 ; 76.704,13.504 76.076,13.504 77.632,13.504 ccw(c77.632,14.16) 78.288,14.16 79.558,14.16 ; 76.704,28.504 76.076,28.504 77.632,28.504 ccw(c77.632,29.16) 78.288,29.16 79.558,29.16 ; 76.704,43.504 76.076,43.504 77.632,43.504 ccw(c77.632,44.16) 78.288,44.16 79.558,44.16 ; 77.108,14.504 77.145,14.541 ; 77.108,29.504 77.145,29.541 ; 77.108,44.504 77.145,44.541 ; v1(77.145,15.176) 77.145,14.541 ; v1(77.145,30.176) 77.145,29.541 ; v1(77.145,45.176) 77.145,44.541 ; v1(78.034,16.7) 78.034,17.716 ; v1(78.034,31.7) 78.034,32.716 ; v1(78.034,46.7) 78.034,47.716 ; 78.288,15.176 v1(79.177,15.176) ; 78.288,30.176 v1(79.177,30.176) ; 78.288,45.176 v1(79.177,45.176) ; v1(78.796,6.54) 78.796,7.556 v1(79.812,7.556) ; v1(78.796,21.54) 78.796,22.556 v1(79.812,22.556) ; v1(78.796,36.54) 78.796,37.556 v1(79.812,37.556) ; v1(79.812,15.684) 80.828,15.684 ; v1(79.812,30.684) 80.828,30.684 ; v1(79.812,45.684) 80.828,45.684 ; v1(80.574,10.604) 80.574,11.62 ; v1(80.574,25.604) 80.574,26.62 ; v1(80.574,40.604) 80.574,41.62 ; v1(81.844,10.604) 81.844,12.128 ; 81.844,15.684 82.86,15.684 83.876,15.684 ; v1(81.844,25.604) 81.844,27.128 ; 81.844,30.684 82.86,30.684 83.876,30.684 ; v1(81.844,40.604) 81.844,42.128 ; 81.844,45.684 82.86,45.684 83.876,45.684 ; 82.86,12.128 82.86,13.398 82.86,14.668 ; 82.86,27.128 82.86,28.398 82.86,29.668 ; 82.86,42.128 82.86,43.398 82.86,44.668 ; v1@85.889,10.623 85.889,12.466 ; v1@85.889,25.623 85.889,27.466 ; v1@85.889,40.623 85.889,42.466 ; v1(87.559,10.604) 87.559,12.128 ; v1(87.559,25.604) 87.559,27.128 ; v1(87.559,40.604) 87.559,42.128 ; 88.951,12.128 89.289,12.466 v1(89.289,10.604) ; 88.951,27.128 89.289,27.466 v1(89.289,25.604) ; 88.951,42.128 89.289,42.466 v1(89.289,40.604) ; 3.996,11.136 4.596,11.136 ; 3.996,11.136 4.596,11.136 ; 3.996,11.136 4.596,11.136 ; 3.996,26.136 4.596,26.136 ; 3.996,26.136 4.596,26.136 ; 3.996,26.136 4.596,26.136 ; 3.996,41.136 4.596,41.136 ; 3.996,41.136 4.596,41.136 ; 3.996,41.136 4.596,41.136 ; 4.596,11.136 4.826,11.366 ; 4.596,11.136 4.826,11.366 ; 4.596,11.136 5.334,11.874 ; 4.596,26.136 4.826,26.366 ; 4.596,26.136 4.826,26.366 ; 4.596,26.136 5.334,26.874 ; 4.596,41.136 4.826,41.366 ; 4.596,41.136 4.826,41.366 ; 4.596,41.136 5.334,41.874 ; 4.826,11.366 5.334,11.874 ; 4.826,26.366 5.334,26.874 ; 4.826,41.366 5.334,41.874 ; 33.996,11.136 34.596,11.136 ; 33.996,11.136 34.596,11.136 ; 33.996,11.136 34.596,11.136 ; 33.996,26.136 34.596,26.136 ; 33.996,26.136 34.596,26.136 ; 33.996,26.136 34.596,26.136 ; 33.996,41.136 34.596,41.136 ; 33.996,41.136 34.596,41.136 ; 33.996,41.136 34.596,41.136 ; 34.596,11.136 34.826,11.366 ; 34.596,11.136 34.826,11.366 ; 34.596,11.136 35.334,11.874 ; 34.596,26.136 34.826,26.366 ; 34.596,26.136 34.826,26.366 ; 34.596,26.136 35.334,26.874 ; 34.596,41.136 34.826,41.366 ; 34.596,41.136 34.826,41.366 ; 34.596,41.136 35.334,41.874 ; 34.826,11.366 35.334,11.874 ; 34.826,26.366 35.334,26.874 ; 34.826,41.366 35.334,41.874 ; 63.996,11.136 64.596,11.136 ; 63.996,11.136 64.596,11.136 ; 63.996,11.136 64.596,11.136 ; 63.996,26.136 64.596,26.136 ; 63.996,26.136 64.596,26.136 ; 63.996,26.136 64.596,26.136 ; 63.996,41.136 64.596,41.136 ; 63.996,41.136 64.596,41.136 ; 63.996,41.136 64.596,41.136 ; 64.596,11.136 64.826,11.366 ; 64.596,11.136 64.826,11.366 ; 64.596,11.136 65.334,11.874 ; 64.596,26.136 64.826,26.366 ; 64.596,26.136 64.826,26.366 ; 64.596,26.136 65.334,26.874 ; 64.596,41.136 64.826,41.366 ; 64.596,41.136 64.826,41.366 ; 64.596,41.136 65.334,41.874 ; 64.826,11.366 65.334,11.874 ; 64.826,26.366 65.334,26.874 ; 64.826,41.366 65.334,41.874